# KiCad board N2360.kicad_pcb (continued)
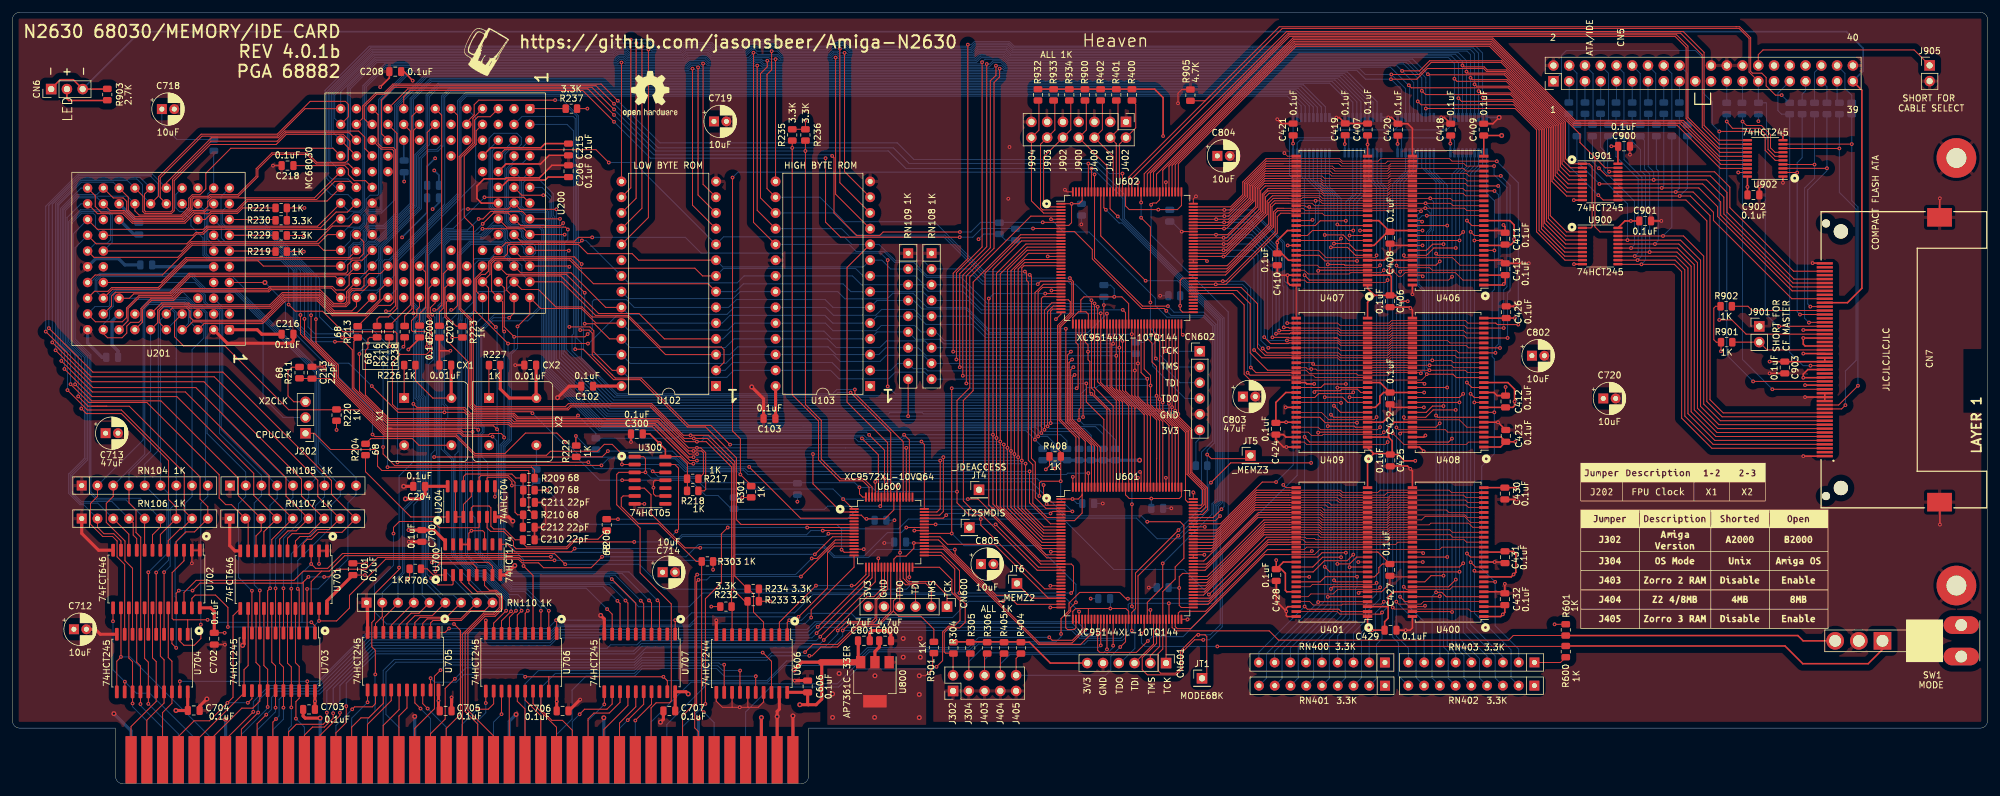
[diagram p0: board, top side]
## Routing (per net, layer and track width the routed paths; a pad name or vN(x,y) marks a point on that pad's centre or on a via; arc(x,y) is an arc through that point) (continued)
+5V: length 337.3
  Top w0.15: R232.2 v1(112.64,28.56) ; C200.1 65.63,75.83 66.59,76.79 66.59,82.54 U200.72 ; R220.2 v1(52.24,57.07) ; C701.1 v1(56.82,33.65) ; v1(127.82,107) R236.2 R235.2 ; C702.1 v1(34.21,24.33) ; R706.1 64.03,33.22 v1(63.74,32.93) ; v1(117.64,46.17) 119.05,46.17 ; v1(275.4,69.77) R901.1 274.64,71.24 274.24,71.64 274.24,76.74 274.54,77.04 275.33,77.04 ; R237.2 v1(92.67,108.93) ; R221.1 v1(47.07,92.9) ; R223.2 v1(70.89,71.97) ; 44.29,88.45 v1(46.97,88.45) ; 45.38,99.74 53.56,99.74 54.15,99.15 54.15,98.26 55.11,97.3 56.91,97.3 U200.95 ; R303.1 v1(112.94,34.52) ; R226.1 64.97,65.02 67.76,62.22 X1.8 ; U200.60 69.45,82.27 69.45,76.72 68.83,76.1 C202.1 ; 44.25,90.9 44.25,92.89 ; R234.2 R233.2 v1(122.12,29.43) ; 108.79,47.19 108.79,51.61 107.62,52.77 105.24,52.77 ; 44.27,85.85 v1(46.97,85.85)
  Top w0.2: 90.83,54.6 v1(90.83,56.1)
  Top w0.25: 285.69,68.09 CN7.13 CN7.38 ; C215.1 86.35,97.88 85.87,97.4 79.92,97.4 78.74,96.22 ; C208.1 63.12,114.9 v1(64.52,113.45) ; C900.1 v1(257.72,102.85) ; C206.1 85.85,103.28 85.18,102.61 77.09,102.61 U200.43 ; U901.20 258.79,102.82 ; U902.20 v1(279.66,96.29) 279.66,95.02 ; 15.34,110.24 9.08,110.24 8.79,110.54 CN6.2 ; C300.1 102.74,56.44 v2(104.29,54.89) 105.25,53.93 U300.14 ; C903.1 v1(283.22,68.1) ; C901.1 v1(260.87,90.8) 259.91,90.8 258.79,89.68
  Top w0.5: 124.89,14.73 C606.1 128.18,12.83 128.28,12.73 ; 93.6,64.15 U102.28 ; C704.1 v2(26.36,11.8) ; C703.1 v1(48.76,13.3) 48.76,15 ; 128.28,12.73 129.54,12.73 130.45,13.65 130.45,19.45 130.59,19.59 127.24,19.59 v2(125.98,18.33) ; 128.28,12.73 v2(126.91,12.73) ; v1(63.84,40.92) C700.1 67.93,40.92 69.76,39.1 ; CX1.1 70.72,62.26 ; 136.33,23.06 136.33,19.98 ; C702.1 32.53,27.77 31.94,28.36 U702.24 ; C707.1 U707.20 108.57,14.83 v2(108.93,14.46) ; 68.68,12.24 v1(68.68,13.38) U705.20 ; U201.1 39.46,73.25 40.19,72.52 C216.1 ; C701.1 50.7,29.48 U701.24 ; R227.1 78.63,63.7 80.11,62.22 X2.8 ; U704.20 28.26,11.83 ; CX2.1 84.41,62.26 ; v2(63.34,45.94) 65.76,45.94 66.5,46.69 C204.1 70.14,47.97 ; U103.28 123.01,58.94 ; 87.73,11.94 v1(87.73,13.23) U706.20 ; CN700.5 v2(120.72,10.66)
  Top w1: U800.3 130.3,19.59
  Bottom w0.15: R231.2 26.54,103.94 24.09,106.39 C718.1 ; R300.1 v1(126.52,45.5) ; v1(90.83,56.1) 93.02,53.91 R228.2 ; R904.1 v1(281.42,106.9) ; R302.1 v1(117.64,46.17)
  Bottom w0.25: v1(67.99,98.95) 68.75,98.19 C205.1 ; C201.1 v1(63.14,97.16) ; v1(67.73,92.71) 68.75,93.73 C209.1
  Bottom w0.5: U201.46 19.62,88.6 C219.1 ; CN700.5 v2(120.72,10.66) ; C214.1 22.82,83.41 32.44,83.41 ; U201.18 16.06,74.65 16.06,70.77 17.02,69.8 C220.1
GND: length 638.1
  Top w0.11: v1(205.02,101.75) 205.52,101.26 U407.28 ; U401.12 v1(216.93,35.76)
  Top w0.15: U407.46 v1(205.56,86.86) ; C900.2 v1(260.72,101.5) ; U602.36 169.01,75.77 v1(168.2,74.95) ; U602.62 183.42,72.55 v1(183.57,72.4) ; U600.41 v1(145.37,40.83) ; 118.61,12.32 118.54,12.4 U606.15 ; 118.61,12.32 v1(117.24,12.32) 116.02,12.32 ; 118.61,12.32 120.22,12.32 121.08,13.18 U606.17 ; U602.144 169.99,95.49 v1(169.65,95.83) ; v1(227.33,81.87) 227.13,82.06 U406.52 ; U601.72 v1(189.41,26.52) ; C427.2 222.03,32.31 220.68,30.96 U401.6 217.17,30.96 v1(216.98,30.77) ; U602.114 v1(185.92,97.05) ; U602.108 190.34,94.34 v1(190.77,94.78) ; U401.41 209.27,37.36 ; U700.14 U700.13 73.57,40.41 73.97,40.81 v1(73.98,40.81) 75.8,40.81 76.11,40.51 U700.11 ; U601.29 v1(167.3,31.93) ; U601.18 v1(167.37,37.43) ; U600.14 v1(137.22,37.83) ; U601.144 v1(170.92,49.5) ; U602.47 v1(175.92,77.23) ; U400.46 222.21,33.36 ; U702.1 U702.2 v1(28.93,35.56) ; v1(187.87,109.8) 187.87,111.4 188.49,112.02 R905.1 ; U408.46 v1(227.5,60.72) ; U601.99 v1(192.2,41.43) ; v1(192.12,36.93) U601.90 U601.89 ; 225.49,37.36 227.22,37.36 v1(227.39,37.2) ; U400.52 227.55,28.56 v1(227.69,28.7) ; C702.2 v1(34.25,22.43) ; U406.41 227.06,90.86 v1(227.23,90.69) ; v1(209.86,63.19) 210.08,63.41 210.86,63.41 210.87,63.4 214,63.4 214.26,63.66 216.79,63.66 217.33,63.12 U409.12 ; C218.2 v1(42.01,99.74) ; U601.114 v1(185.92,49.35) ; U602.18 v1(166.87,85.08) ; U902.19 v1(278.17,98.63) ; U401.28 205.29,47.76 v1(204.85,48.2) ; U602.123 v1(181.42,97.05) ; v1(49.43,35.46) U701.2 U701.1 ; U300.9 103.68,46.41 103.32,46.77 v1(103.32,47.75) 103.32,48.7 103.57,48.95 U300.11 ; U407.41 209.43,90.86 v1(209.55,90.98) ; C211.2 85.39,45.38 85.98,44.8 v1(85.98,43.35) 85.98,41.83 85.52,41.37 84.18,41.37 ; U406.46 v1(227.29,86.86) ; U300.7 v1(101.86,45.14) ; v1(227.6,64.52) 227.4,64.72 U408.41 ; C212.2 C210.2 ; 116.02,12.32 114.43,12.32 113.46,13.3 U606.11 ; 116.02,12.32 116,12.35 U606.13 ; U601.36 v1(167.3,28.43) ; U600.21 v1(139.57,36.35) ; U601.123 v1(181.42,49.35) ; U401.46 v1(209.03,33.36) ; U600.54 v1(142.57,48.05) ; U407.12 v1(217.22,89.26) ; U602.29 v1(167.47,79.58) ; C412.2 v1(240.68,64.01) ; U409.28 U407.54 ; U601.47 v1(175.92,24.75) ; U601.62 v1(183.42,28.03) ; U602.72 188.42,72.65 v1(188.65,72.43) ; C701.2 v1(57.02,35.55) ; v1(192.55,84.33) 192.3,84.58 U602.90 U602.89 ; U601.108 v1(190.34,47) ; U602.99 v1(188.47,89.08) ; C213.2 v1(50.25,67.26)
  Top w0.25: 68.83,69.85 68.83,67.55 ; 68.83,69.85 C202.2 ; 68.83,69.85 v1(70.59,69.85) ; v1(209.82,64.5) 208.62,64.5 208.41,64.72 U409.41 ; 292.12,73.2 v1(288.66,73.2) ; U407.52 v1(205.53,82.06) ; v1(205.53,82.06) 204.27,82.06 203.88,82.45 C410.2 ; v1(205.53,82.06) 205.53,80.86 205.93,80.46 U407.54 ; U401.52 205.58,28.56 205.33,28.31 v1(205.33,27.81) ; v1(230.29,107.51) 230.81,107.51 C418.2 ; CN7.12 289.39,66.82 288.66,66.09 v1(288.66,65.5) 292.12,65.5 ; U902.10 v1(285.39,104.69) ; C406.2 225.18,76.89 v1(225.33,76.74) 225.66,76.4 U408.28 ; U406.28 225.66,105.74 224.91,106.49 C420.2 222.31,107.51 v1(221.77,107.51) ; C421.2 204.56,106.52 v1(203.87,107.2) ; U200.33 75.6,93.68 74.87,94.4 74.87,96.45 76.02,97.6 79.42,97.6 79.58,97.76 84.93,97.76 86.95,99.78 C215.2 ; C903.2 v1(283.22,66.2) ; C408.2 222.05,85.39 221.12,84.46 U407.6 ; C300.2 v1(99.71,55.14) ; v1(205.33,27.81) 205.33,27.11 205.48,26.96 U401.54 ; v1(205.33,27.81) 203.71,29.44 C428.2 ; CN7.8 CN7.33 ; CN7.33 CN7.9 ; CN7.33 v1(288.94,62.37) ; C429.2 v1(224.57,24.76) 225.29,24.76 225.66,25.13 U400.54 ; 310.68,45.35 v1(310.68,41.8) ; C423.2 v1(239.45,58.32) U408.6 ; CN7.15 288.95,70.63 288.66,70.92 v1(288.66,71.9) 292.12,71.9 ; U400.12 v1(238.91,35.76) 240.41,35.76 ; CX2.2 v1(81.04,67.54) ; CN7.1 v1(288.66,52.85) ; U400.6 240.31,30.96 ; C901.2 v1(265.77,90.8) ; v1(227.75,56.18) 227.49,55.92 U408.52 ; 292.12,64.3 v1(288.94,64.3) ; v2(239.64,107.5) 238.63,106.49 C409.2 ; 253.13,94.15 v1(251.67,94.15) ; C208.2 60.75,113.88 v1(59.27,112.4) ; 65.63,71.86 v1(63.82,70.05) ; U408.46 222.55,60.72 C422.2 222.05,59.46 220.91,58.32 U409.6 ; U902.1 v1(285.39,96.97) ; v1(213.39,107.48) 213.88,107.48 C419.2 218.4,106.54 ; U406.54 v1(225.66,78.97) ; U406.6 240.13,84.46 C413.2 v1(244.42,83.97) ; C412.2 239.3,62.62 238.8,63.12 U408.12 ; v1(240.33,90.15) 240.6,89.89 C411.2 ; 222.11,51.26 224.86,51.26 v1(225.32,50.8) 225.66,50.45 U400.28 ; C430.2 v1(242.46,45.86) ; U406.12 240.23,89.26 ; C902.2 v1(281.57,96.35) ; C432.2 v1(240.56,32.24) ; C206.2 86.5,101.38 85.12,100 79.56,100 U200.31 ; v1(227.48,53.63) 226.8,54.32 U408.54 ; U900.10 v1(251.7,83.83) ; U406.46 222.33,86.86 ; 292.12,69.4 v1(288.66,69.4) ; U409.54 v1(205.35,54.32) 204.87,54.32 203.65,55.54 C424.2 204.88,56.32 205.28,55.92 U409.52 ; 292.12,84 v1(290.17,84) ; C426.2 v1(242.2,77.03) ; CN7.Z1 v1(310.67,94.45) ; U409.46 v1(205.23,60.72)
  Top w0.5: U707.10 95.4,26.57 v2(94.82,27.15) ; U204.7 79.98,43.04 v2(80.66,42.36) ; 141.57,23.06 141.57,24.07 140.95,24.69 138.54,24.69 138.16,24.31 138.16,23.06 ; RN107.1 35.02,38.41 35.87,37.56 U701.12 ; U705.10 57.25,29.03 ; U606.10 v1(113.46,26.35) ; v2(104.46,9.91) 104.93,10.39 C707.2 ; C703.2 46.86,10.9 47.19,10.57 v2(49.6,10.57) ; C712.2 13.35,24.91 14.16,24.1 U704.10 ; CN700.1 v2(125.8,10.93) ; RN106.1 11.17,40.38 13.89,37.66 U702.12 ; C204.2 v2(63.07,47.97) ; C700.2 v1(63.91,39.02) ; v1(76.3,26.34) U706.10 ; C103.2 121.07,62.1 v2(119.16,64.01) ; C102.2 89.72,64.13 v2(87.86,62.27) ; C606.2 v1(126.1,16.63) ; U700.8 79.44,33.66 v2(80.97,35.19) ; 70.78,12.04 v1(70.78,13.91) ; CN700.3 v2(123.26,10.81) 123.26,11.65 123.62,12.01 U606.19 ; C704.2 30.18,12.5 v2(31.34,13.66) ; U201.2 34.63,71.06 44.88,71.06 45.29,71.47 C216.2 ; v2(37.11,22.29) 37.34,22.52 U703.10 ; 89.88,11.94 v1(91.51,13.56)
  Bottom w0.15: C609.2 v1(185,78.73) ; 186.85,90.7 v1(188.47,89.08) ; 174.35,45.2 v1(175.75,45.2) ; C601.2 v1(142.17,42.5) ; 172.3,91.68 v1(172.3,90.25) ; v1(183.57,72.4) 182.39,71.22 R131.2 ; 142.12,38.83 v1(140.52,38.83) ; 239.64,107.51 v2(239.64,107.5) ; C603.2 v1(173.8,29.85) ; C608.2 v1(175.92,77.23) ; C605.2 v1(183.17,31.63) ; C602.2 v1(186.8,44.43)
  Bottom w0.25: U421.10 v1(213.39,107.48) ; C209.2 66.85,92.2 v1(62.8,88.15) ; C205.2 66.85,99.63 v1(68.13,100.91) ; U419.10 v1(230.29,107.51) ; U418.10 239.64,107.51 ; U420.10 v1(221.77,107.51) ; U200.77 63.07,100.62
  Bottom w0.5: CN700.49 v2(64.84,10.84) ; C214.2 18.12,83.7 17.12,84.7 13.41,84.7 12.12,83.41 ; CN700.3 v2(123.26,10.81) ; CN700.61 v2(49.6,10.57) ; R101.2 v1(168.02,50.85) ; CN700.13 v2(110.56,10.52) ; C220.2 14.42,68.8 12.12,71.11 U201.10 ; 20.26,90.5 U201.56 ; v2(81.18,11.16) 80.08,10.06 CN700.37 ; CN700.85 19.12,8.52 v2(16.36,11.29) ; R100.2 v2(181.68,52.19) ; CN700.25 v2(95.32,10.62) ; CN700.73 v2(34.36,10.39) ; CN700.1 v2(125.8,10.93)
  vias: v1(160.52,94.38) v1(160.71,102.73) v1(209.45,37.54) v2(143.58,23.41) v2(143.58,20.4) v2(146.34,23.41) v2(146.34,20.4)
/Card Edge/_ABERR: length 69.1
  Top w0.15: v1(71.17,25.75) 72.2,24.72 72.2,23.52 ; CN700.46 69.92,8.89 72.2,11.17 72.2,23.52 ; v1(61.42,40.35) 61.42,41.35 62.37,42.3 67.82,42.3 68.83,41.3 75.12,41.3 75.23,41.41 U204.5 ; 72.2,23.52 72.2,24.57
  Bottom w0.15: v1(61.42,40.35) 61.42,35.2 58.37,32.15 58.37,27.7 60.32,25.75 v1(71.17,25.75)
/Card Edge/_AIPL0: length 36.6
  Top w0.15: CN700.40 77.54,7.7 73.42,11.83 73.42,24.25 76.17,27 77.81,27 78.99,28.19 78.99,30.22 78.01,31.2 76.87,31.2 76.11,31.97 U700.6
/Card Edge/_AIPL1: length 37.9
  Top w0.15: U700.4 73.57,32.31 74.93,30.94 77.9,30.94 78.73,30.11 78.73,28.3 77.7,27.26 76.07,27.26 72.97,24.17 72.97,11.64 75,9.61 CN700.42
/Card Edge/_AIPL2: length 37.9
  Top w0.15: CN700.44 72.46,7.82 72.52,7.88 72.52,24.09 75.96,27.52 77.59,27.52 78.47,28.4 78.47,30 77.79,30.68 74.16,30.68 72.3,32.54 U700.3
/Card Edge/_COPCFG: length 53.1
  Top w0.15: R303.2 110.22,35.85 104.08,42 100.87,42 98.13,44.73 98.13,46.12 98.43,46.42 100.29,46.42 ; 111.09,35.84 111.09,11.86 v1(111.43,11.52)
  Bottom w0.15: CN700.11 113.1,9.85 v1(111.43,11.52)
/Card Edge/AA1: length 15.7
  Top w0.15: U707.12 96.67,12.85 95.83,12.01 92.23,12.01 91.43,11.21 v1(91.43,11.19)
  Bottom w0.15: CN700.29 90.24,10 v1(91.43,11.19)
/Card Edge/AA2: length 12.1
  Top w0.15: v1(95.41,12.79) 95.41,14.82
  Bottom w0.15: CN700.27 92.78,10.16 v1(95.41,12.79)
/Card Edge/AA3: length 12.6
  Top w0.15: CN700.26 95.32,8.73 99.21,12.61 U707.14
/Card Edge/AA4: length 12.1
  Top w0.15: CN700.24 97.86,9.79 100.48,12.4 U707.15
/Card Edge/AA5: length 12
  Top w0.15: U707.17 103.02,12.82 100.41,10.21
  Bottom w0.15: CN700.21 v1(100.4,10.18)
/Card Edge/AA6: length 12.6
  Top w0.15: U707.16 101.75,12.8 v1(99.18,10.24)
  Bottom w0.15: v1(99.18,10.24) 97.86,8.92 CN700.23
/Card Edge/AA7: length 14.6
  Top w0.15: CN700.28 92.78,10.45 93.72,11.39 96.21,11.39 97.94,13.12 U707.13
/Card Edge/AA8: length 14.2
  Top w0.15: CN700.30 90.24,8.62 88.65,10.21 86.96,10.21 85.19,11.98 U706.18
/Card Edge/AA9: length 12.6
  Top w0.15: CN700.32 87.7,9.09 83.92,12.87 U706.17
/Card Edge/AA10: length 12.1
  Top w0.15: CN700.34 85.16,10.95 82.65,13.47 U706.16
/Card Edge/AA11: length 11.6
  Top w0.15: CN700.36 82.62,12.04 81.38,13.29 U706.15
/Card Edge/AA12: length 11
  Top w0.15: 80.08,14.9 CN700.38
/Card Edge/AA13: length 11.6
  Top w0.15: U706.13 v1(78.84,11.2)
  Bottom w0.15: CN700.39 77.54,9.91 v1(78.84,11.2)
/Card Edge/AA14: length 11.6
  Top w0.15: U706.11 v1(76.3,13)
  Bottom w0.15: CN700.41 75,10.13 76.3,11.43 v1(76.3,13)
/Card Edge/AA15: length 14.2
  Top w0.15: U706.12 77.57,12.87 76.71,12.01 v1(74.93,12.01)
  Bottom w0.15: CN700.43 72.46,9.54 v1(74.93,12.01)
/Card Edge/AA16: length 12.8
  Top w0.15: U705.18 66.14,12.9 v1(66.93,12.11)
  Bottom w0.15: CN700.45 69.92,9.12 v1(66.93,12.11)
/Card Edge/AA17: length 12.3
  Top w0.15: v1(65.78,12.11) 64.87,13.02 U705.17
  Bottom w0.15: v1(65.78,12.11) 67.38,10.51 CN700.47
/Card Edge/AA18: length 11.8
  Top w0.15: CN700.52 62.3,10.91 63.6,12.2 U705.16
/Card Edge/AA19: length 12.3
  Top w0.15: U705.15 62.33,11.94 59.76,9.38 CN700.54
/Card Edge/AA20: length 12.8
  Top w0.15: U705.14 61.06,13.39 57.22,9.55 CN700.56
/Card Edge/AA21: length 14.1
  Top w0.15: U705.13 59.79,12.97 57.43,10.61 56.18,10.61 54.68,9.11 CN700.58
/Card Edge/AA22: length 12.3
  Top w0.15: U705.11 v1(57.25,13.13)
  Bottom w0.15: v1(57.25,13.13) 54.68,10.56 CN700.57
/Card Edge/AA23: length 15.5
  Top w0.15: 54.78,12.01 55.16,12.39 58.01,12.39 58.52,12.9 U705.12
  Bottom w0.15: CN700.59 52.14,9.37 v1(54.77,11.99)
/Card Edge/AD0: length 33.5
  Top w0.15: U702.14 v1(17.5,20.45) 17.5,20.43 16.83,19.76 U704.11
  Bottom w0.15: 17.49,20.44 18.96,20.44 31.82,7.58
/Card Edge/AD1: length 29.2
  Top w0.15: v1(16.21,26.2) 16.21,28.35 ; v1(18.12,16.45) 18.12,14.83
  Bottom w0.15: v1(16.21,26.2) 16.21,18.36 v1(18.12,16.45) 19.98,14.59 22.13,14.59 29.28,7.44
/Card Edge/AD2: length 26.8
  Top w0.15: v1(21.91,12.87) 21.91,14.8 ; U702.17 21.31,20.2 21.91,19.61 U704.15
  Bottom w0.15: v1(21.91,12.87) 26.74,8.04 CN700.79
/Card Edge/AD3: length 26.2
  Top w0.15: U704.14 20.64,19 20.04,19.59 U702.16 ; v1(20.64,12.84) 20.64,14.8
  Bottom w0.15: v1(20.64,12.84) 20.64,12.58 24.2,9.02 CN700.81
/Card Edge/AD4: length 25.7
  Top w0.15: U704.13 19.37,19.67 18.77,20.26 U702.15 ; v1(19.37,12.93) 19.37,14.8
  Bottom w0.15: v1(19.37,12.93) 19.37,12.41 21.66,10.12 CN700.83
/Card Edge/AD5: length 26.4
  Top w0.15: U702.18 22.58,20.29 23.18,19.7 U704.16 23.18,13.27 19.12,9.21 CN700.86
/Card Edge/AD6: length 25.9
  Top w0.15: U702.19 23.85,20.57 24.45,19.98 U704.17 24.45,13.01 21.66,10.22 CN700.84
/Card Edge/AD7: length 25.4
  Top w0.15: U702.20 25.12,20.34 25.72,19.75 U704.18 25.72,12.98 24.2,11.46 CN700.82
/Card Edge/AD8: length 35.5
  Top w0.15: U703.12 38.61,13.71 v1(37.95,13.05) ; CN700.80 26.74,7.59 29.28,10.13 31.76,10.13 v1(34.66,13.03) 35.56,13.93 35.56,27.1 U701.13
  Bottom w0.15: v1(37.95,13.05) 34.67,13.05
/Card Edge/AD9: length 24.9
  Top w0.15: 29.28,6.58 37.34,14.64 ; U701.14 38,19.05 37.34,18.39 U703.11
/Card Edge/AD10: length 25.9
  Top w0.15: 31.82,7.03 36.98,12.18 38.74,12.18 39.88,13.32 U703.13 39.88,18.94 39.27,19.55 U701.15
/Card Edge/AD11: length 26.4
  Top w0.15: v1(41.15,12.37) U703.14 41.15,18.44 40.54,19.05 U701.16
  Bottom w0.15: v1(41.15,12.37) 41.15,12.18 36.9,7.93 CN700.71
/Card Edge/AD12: length 25.9
  Top w0.15: U701.17 41.81,19.61 42.42,19 U703.15 v1(42.42,12.26)
  Bottom w0.15: CN700.69 39.44,8.63 42.42,11.6 v1(42.42,12.26)
/Card Edge/AD13: length 25.4
  Top w0.15: U701.18 43.08,19.41 43.69,18.8 U703.16 v1(43.69,12.26)
  Bottom w0.15: CN700.67 41.98,8.69 43.69,10.39 v1(43.69,12.26)
/Card Edge/AD14: length 24.8
  Top w0.15: U701.19 44.35,19.44 44.96,18.83 U703.17 v1(44.96,12.3)
  Bottom w0.15: v1(44.96,12.3) 44.96,9.34 44.52,8.9 CN700.65
/Card Edge/AD15: length 25.4
  Top w0.15: U701.20 45.62,19.52 46.23,18.91 U703.18 46.23,13.78 45.7,13.25 v1(45.7,10.48)
  Bottom w0.15: v1(45.7,10.48) 47.06,9.12 CN700.63
/CPLD 1/TCK0: length 11.4
  Top w0.15: U600.30 144.07,33 144.47,32.6 148.45,32.6 150.65,30.4 CN600.1
/CPLD 1/TCK1: length 7.3
  Top w0.15: 185.95,19.23 185.95,26.49
/CPLD 1/TCK2: length 9.8
  Top w0.15: U602.67 v1(185.92,69.8)
  Bottom w0.15: CN602.1 185.95,69.77 v1(185.92,69.8)
/CPLD 1/TDI0: length 8
  Top w0.15: 145.57,28.55 145.57,31.53 145.02,32.08 143.97,32.08 143.07,32.98 U600.28
/CPLD 1/TDI1: length 8.3
  Top w0.15: U601.63 183.92,22.51 CN601.3
/CPLD 1/TDI2: length 14.4
  Top w0.15: v1(184.3,68.6) 184.16,68.74 184.16,72.58 183.92,72.82 U602.63
  Bottom w0.15: v1(184.3,68.6) 188.21,64.69 CN602.3
/CPLD 1/TDO0: length 17.7
  Top w0.15: CN600.4 143.03,31.96 v1(143.07,32) ; v1(143.07,37.26) U600.53
  Bottom w0.15: v1(143.07,37.26) v1(143.07,32)
/CPLD 1/TDO1: length 35.6
  Top w0.15: v1(180.45,45.08) v1(180.45,28.6) ; v1(181.75,50.3) 181.92,50.13 U601.122
  Bottom w0.15: 178.33,19.23 180.92,21.82 180.92,27.98 180.45,28.45 v1(180.45,28.6) ; v1(181.75,50.3) 181.42,50.3 180.45,49.33 v1(180.45,45.08)
/CPLD 1/TDO2: length 39
  Top w0.15: v1(183.42,77.65) 183.42,89.83 v1(181.92,91.33) ; U602.122 v1(181.92,93.78)
  Bottom w0.15: CN602.4 189.02,62.15 183.8,67.38 183.8,70.85 184.27,71.33 184.27,72.68 183.42,73.53 v1(183.42,77.65) ; v1(181.92,93.78) v1(181.92,91.33)
/CPLD 1/TMS0: length 9.9
  Top w0.15: U600.29 143.57,33.14 144.37,32.34 147.18,32.34 148.11,31.42 CN600.2
/CPLD 1/TMS1: length 7.9
  Top w0.15: 183.41,19.23 183.41,20.64 184.92,22.15 U601.65
/CPLD 1/TMS2: length 12.2
  Top w0.15: U602.65 v1(184.92,72.15)
  Bottom w0.15: v1(184.92,72.15) 184.92,69.23 186.92,67.23 CN602.2
/Logic, IDE/_ACTIVE: length 349.2
  Top w0.25: 296.65,113.35 298.1,111.89 298.1,79.93 295.78,77.61 CN7.45 ; 15.32,112.08 CN6.3 9.82,113.59 7.69,113.59 6.25,112.15
  Bottom w0.25: CN6.3 20.6,121.35 295.62,121.35 298.32,118.65 298.32,115.02 296.65,113.35
/Logic, IDE/_CFCSEL: length 15.4
  Top w0.15: CN7.39 282.82,69.99 J901.2 277.23,71.24
/Logic, IDE/_CS0A: length 61.4
  Top w0.15: CN7.7 294.84,60.47 v1(295.45,61.08) ; v1(294.47,102.5) 285.41,102.5
  Bottom w0.15: R928.1 v1(294.47,102.5) 294.47,95.4 297.17,92.7 297.17,68.3 295.45,66.58 v1(295.45,61.08)
/Logic, IDE/_CS1A: length 61.9
  Top w0.15: v1(296.47,103.2) 285.41,103.2 ; CN7.32 294.37,61.1 v1(297.47,64.2)
  Bottom w0.15: R929.2 v1(296.47,103.2) 296.47,94.05 297.47,93.05 v1(297.47,64.2)
/Logic, IDE/_DIORA: length 64.6
  Top w0.15: v1(278.87,106.85) 279.51,106.2 281.92,106.2 283.37,104.75 283.37,102.6 284.1,101.88 U902.7 ; CN7.34 v1(283.67,63.64)
  Bottom w0.15: v1(283.67,63.64) 278.87,68.45 v1(278.87,106.85) 278.87,107.95
/Logic, IDE/_DIOWA: length 69.1
  Top w0.15: CN7.35 280.58,64.91 v1(280.57,64.9) ; v1(276.32,106.85) 277.25,105.75 281.62,105.75 282.97,104.4 282.97,102.35 284.1,101.23 U902.6
  Bottom w0.15: R922.1 v1(276.32,106.85) 276.32,69.86 276.33,69.86 276.33,69.15 v1(280.57,64.9)
/Logic, IDE/_RSTIDE: length 103.1
  Top w0.15: U902.5 284.14,100.58 282.52,102.2 282.52,104.23 281.5,105.25 275.07,105.25 ; CN7.41 279.45,72.53 277.15,74.83 v1(275.12,74.83)
  Bottom w0.15: v1(275.12,74.83) v1(275.12,105.25) 273.97,106.39 273.97,110 272.47,111.5 272.47,117.1 271.27,118.3 250.47,118.3 249.67,117.5 249.67,114.63 CN5.1
/Logic, IDE/CSEL: length 30.7
  Top w0.15: J905.1 306.52,118.4 282.17,118.4 281.41,117.64 281.41,115.89
/Logic, IDE/DA0A: length 41.9
  Top w0.15: CN7.20 v1(289.8,76.98) ; 285.4,99.29 292.46,99.29
  Bottom w0.15: R925.1 v1(292.47,99.3) 292.47,98.9 289.37,95.8 289.37,77.4 289.77,77
/Logic, IDE/DA1A: length 39.2
  Top w0.15: v1(288.12,75.7) 289.97,75.7 289.98,75.71 CN7.19 ; U902.2 287.7,98.63
  Bottom w0.15: v1(288.12,75.7) 287.67,76.15 v1(287.67,98.6) 287.67,100.2 288.47,101 R926.1
/Logic, IDE/DA2A: length 42.3
  Top w0.15: CN7.18 289.51,74.44 ; v1(290.47,99.9) 285.41,99.9
  Bottom w0.15: v1(289.57,74.4) 288.87,75.1 288.87,96.1 290.47,97.7 v1(290.47,99.9) R927.2
/Logic, IDE/IDED0: length 53.7
  Top w0.15: v1(255.8,96.78) U901.15 272.44,96.78 275.34,93.87 275.34,91.73 286.93,80.15 CN7.47
  Bottom w0.15: R914.2 252.17,100.4 v1(255.8,96.78)
/Logic, IDE/IDED1: length 51.3
  Top w0.15: v1(255.72,99.3) 256.95,98.08 U901.17 273.68,98.08 276.36,95.39 276.36,92.21 287.16,81.42 CN7.48
  Bottom w0.15: v1(255.72,99.3) 254.67,100.35 R915.2
/Logic, IDE/IDED2: length 49
  Top w0.15: v1(257.37,98.75) 257.4,98.73 U901.18 274.36,98.73 276.83,96.26 276.83,92.95 287.09,82.69 CN7.49
  Bottom w0.15: 257.12,104.34 257.12,99 v1(257.37,98.75)
/Logic, IDE/IDED3: length 81
  Top w0.15: 258.79,84.48 v1(261.95,84.48) 268,84.48 269.56,82.91 269.56,59.31 274.13,54.75 CN7.27
  Bottom w0.15: v1(261.95,84.48) 262.65,85.18 262.65,97.83 259.77,100.7 R917.2
/Logic, IDE/IDED4: length 78.8
  Top w0.15: CN7.28 274.57,56.02 270.58,60.01 270.58,83.5 268.3,85.78 v1(263.9,85.78) U900.14
  Bottom w0.15: v1(263.9,85.78) 263.9,98.38 263.07,99.2 263.07,103.79 R918.2
/Logic, IDE/IDED5: length 77.2
  Top w0.15: U900.16 v1(264.75,87.08) 268.6,87.08 271.6,84.08 271.6,60.58 274.89,57.29 CN7.29
  Bottom w0.15: v1(264.75,87.08) 265.29,87.62 265.29,98.89 264.97,99.2 R919.2
/Logic, IDE/IDED6: length 76.4
  Top w0.15: CN7.30 275.29,58.56 272.61,61.24 272.61,85.12 269.35,88.38 v1(266.05,88.38) U900.18
  Bottom w0.15: v1(266.05,88.38) 267.47,89.8 R920.2
/Logic, IDE/IDED7: length 75.4
  Top w0.15: CN7.31 275.75,59.83 273.63,61.95 273.63,91.65 270.45,94.83 v1(268.75,94.83) U901.12
  Bottom w0.15: R921.2 269.97,96.05 v1(268.75,94.83)
/Logic, IDE/IDED8: length 54.1
  Top w0.15: U901.13 v1(268.1,95.48) 270.9,95.48 274.17,92.2 274.17,90.89 286.82,78.25 CN7.21
  Bottom w0.15: R906.1 268.67,96.05 v1(268.1,95.48)
/Logic, IDE/IDED9: length 53.2
  Top w0.15: CN7.22 286.86,79.52 274.86,91.52 274.86,93.09 271.82,96.13 v1(265.85,96.13) 258.79,96.13
  Bottom w0.15: v1(265.85,96.13) 266.17,96.45 R907.1
/Logic, IDE/IDED10: length 52.8
  Top w0.15: CN7.23 287,80.79 275.86,91.92 275.86,94.64 273.07,97.43 v1(264.55,97.43) U901.16
  Bottom w0.15: R908.1 263.67,99.6 264.55,98.73 v1(264.55,97.43)
/Logic, IDE/IDED11: length 84.9
  Top w0.15: CN7.2 273.93,54.12 269.06,58.99 269.06,82.62 267.87,83.8 v1(262.57,83.8) 258.81,83.8
  Bottom w0.15: R909.1 261.07,103.65 262.42,102.3 262.42,98.95 263.22,98.15 263.22,84.45 v1(262.57,83.8)
/Logic, IDE/IDED12: length 84.1
  Top w0.15: CN7.3 274.39,55.39 270.07,59.71 270.07,83.21 268.15,85.13 v1(261.5,85.13) U900.13
  Bottom w0.15: v1(261.5,85.13) 262.05,85.68 262.05,97.63 258.47,101.2 R910.1
/Logic, IDE/IDED13: length 83.5
  Top w0.15: U900.15 v1(260.9,86.43) 268.4,86.43 271.09,83.74 271.09,60.32 274.75,56.66 CN7.4
  Bottom w0.15: v1(260.9,86.43) 261.45,86.98 261.45,93.99 256.52,98.92 256.52,102.15 255.97,102.7 R911.1
/Logic, IDE/IDED14: length 82.7
  Top w0.15: CN7.5 275.05,57.93 272.1,60.87 272.1,84.47 268.87,87.7 v1(260.32,87.7) 260.3,87.73 U900.17
  Bottom w0.15: v1(260.32,87.7) 260.32,93.55 253.47,100.4 R912.1
/Logic, IDE/IDED15: length 83.5
  Top w0.15: CN7.6 275.58,59.2 273.12,61.66 273.12,90.81 269.75,94.18 U901.11 256.4,94.18 v1(255.62,94.95)
  Bottom w0.15: R913.1 250.87,99.7 v1(255.62,94.95)
/Logic, IDE/INTRQA: length 52.7
  Top w0.15: CN7.37 v1(289.82,67.45)
  Bottom w0.15: v1(289.82,67.45) 288.63,67.45 286.47,69.6 R924.2 285.14,108.04 284.57,108.6 284.57,111.43 CN5.31
/Processor/_AS_030: length 34.4
  Top w0.15: R212.2 64.15,77.27 64.15,105.3 U200.76
/Processor/_DS_030: length 35.3
  Top w0.15: 58.77,73.85 58.77,74.95 59.13,75.31 60.61,75.31 62,76.7 62,104.91 U200.82
/Processor/CDIS: length 12.7
  Top w0.15: R223.1 71.54,73.82 69.97,75.39 69.97,77.71 U200.62
  In2.Cu w0.15: U200.73 66.91,79.68 69.45,79.68 U200.62
/Processor/CPUCLK: length 89.5
  Top w0.15: v1(60.46,51.06) 83.65,51.06 83.68,51.1 84.17,50.61 R209.1
  Bottom w0.15: v1(60.46,51.06) 60.46,69.07 62.13,70.73 62.13,84.43 74.67,96.98 74.67,107.48 U200.49
/Processor/R_W_030: length 36
  Top w0.15: U200.92 59.45,102.38 61.2,102.38 61.48,102.1 61.48,77.73 60.93,77.17 59.01,77.17 R213.2
_7M: length 136.4
  Top w0.15: U600.42 v1(144.09,41.33) ; U701.23 v1(49.43,26.25) 52.25,26.25 54.32,28.32 54.32,30.38 60.16,36.22 81.54,36.22 82.15,35.62 84.82,35.62 85.6,34.84 93.28,34.84 v1(95.04,36.6) ; U702.23 28.93,29.9 29.45,30.42 32.73,30.42 34.73,28.42 v1(34.73,25.27)
  Bottom w0.15: v1(34.73,25.27) 48.45,25.27 v1(49.43,26.25) ; v1(95.04,36.6) 108.58,36.6 110.58,38.6 130.65,38.6 132.52,36.73 137.26,36.73 141.02,40.49 143.25,40.49 v1(144.09,41.33)
_AAENA: length 118.7
  Top w0.15: U706.19 86.46,17.23 86.45,17.24 ; 86.45,17.24 v1(104.93,17.24) 105.56,16.61 U707.19 ; 86.45,17.24 v1(82.65,17.24) ; U601.40 172.42,24.7 170.86,23.13 167.59,23.13 v1(167.12,23.6) ; v1(67.41,17.01) 67.41,15.11
  Bottom w0.15: v1(167.12,23.6) 155.74,23.6 154.07,21.93 137.79,21.93 135.64,19.78 124.79,19.78 121.63,16.63 105.54,16.63 v1(104.93,17.24) ; v1(67.41,17.01) 68.06,16.36 71.53,16.36 72.81,17.64 82.25,17.64 v1(82.65,17.24)
_AAS: length 116.4
  Top w0.15: v1(128.74,26.8) 128.74,28.02 135.66,34.94 U600.16 ; 34.36,7.12 v1(38.83,11.59)
  Bottom w0.15: v1(128.74,26.8) 127.74,25.8 109.69,25.8 109.21,25.32 87.88,25.32 86.7,24.14 57.81,24.14 57.81,24.14 57.28,24.14 48.97,15.82 41.4,15.82 38.83,13.25 v1(38.83,11.59)
_ABG: length 111.4
  Top w0.15: v1(51.7,11.36) 51.7,10.54 50.29,9.12 48.37,9.12 47.06,7.82 CN700.64 ; U600.20 139.07,32.57 v1(130.21,23.71)
  Bottom w0.15: v1(130.21,23.71) 129.57,23.07 101.33,23.07 100.65,22.4 96.39,22.4 95.83,21.84 58.17,21.84 51.7,15.37 v1(51.7,11.36)
_ABGACK: length 110.6
  Top w0.15: v1(52.79,11.44) 52.79,10.99 49.6,7.8 CN700.62 ; v1(130.77,23.17) 137.75,30.15 138.85,30.15 140.07,31.38 U600.22
  Bottom w0.15: v1(52.79,11.44) 52.79,15.83 58.35,21.39 100.14,21.39 101.37,22.62 130.22,22.62 v1(130.77,23.17)
_ABR: length 111.8
  Top w0.15: v1(133.03,24.7) 134.51,26.18 138.55,26.18 139.06,26.69 139.06,29.74 140.57,31.25 U600.23 ; v1(53.81,12.49) 53.81,9.85 52.14,8.18 CN700.60